# Altium PCB LOGI-BONE.PcbDoc (part 2 of 4)
Units mil, origin at the board's own origin, x right, y up, seen from the top; angles counter-clockwise.
Board outline 3400 x 2252.63 mil, 4 copper layers (Top Layer, GND, VDD, Bottom Layer); 132 components, 150 nets, 640 pads, 358 vias.
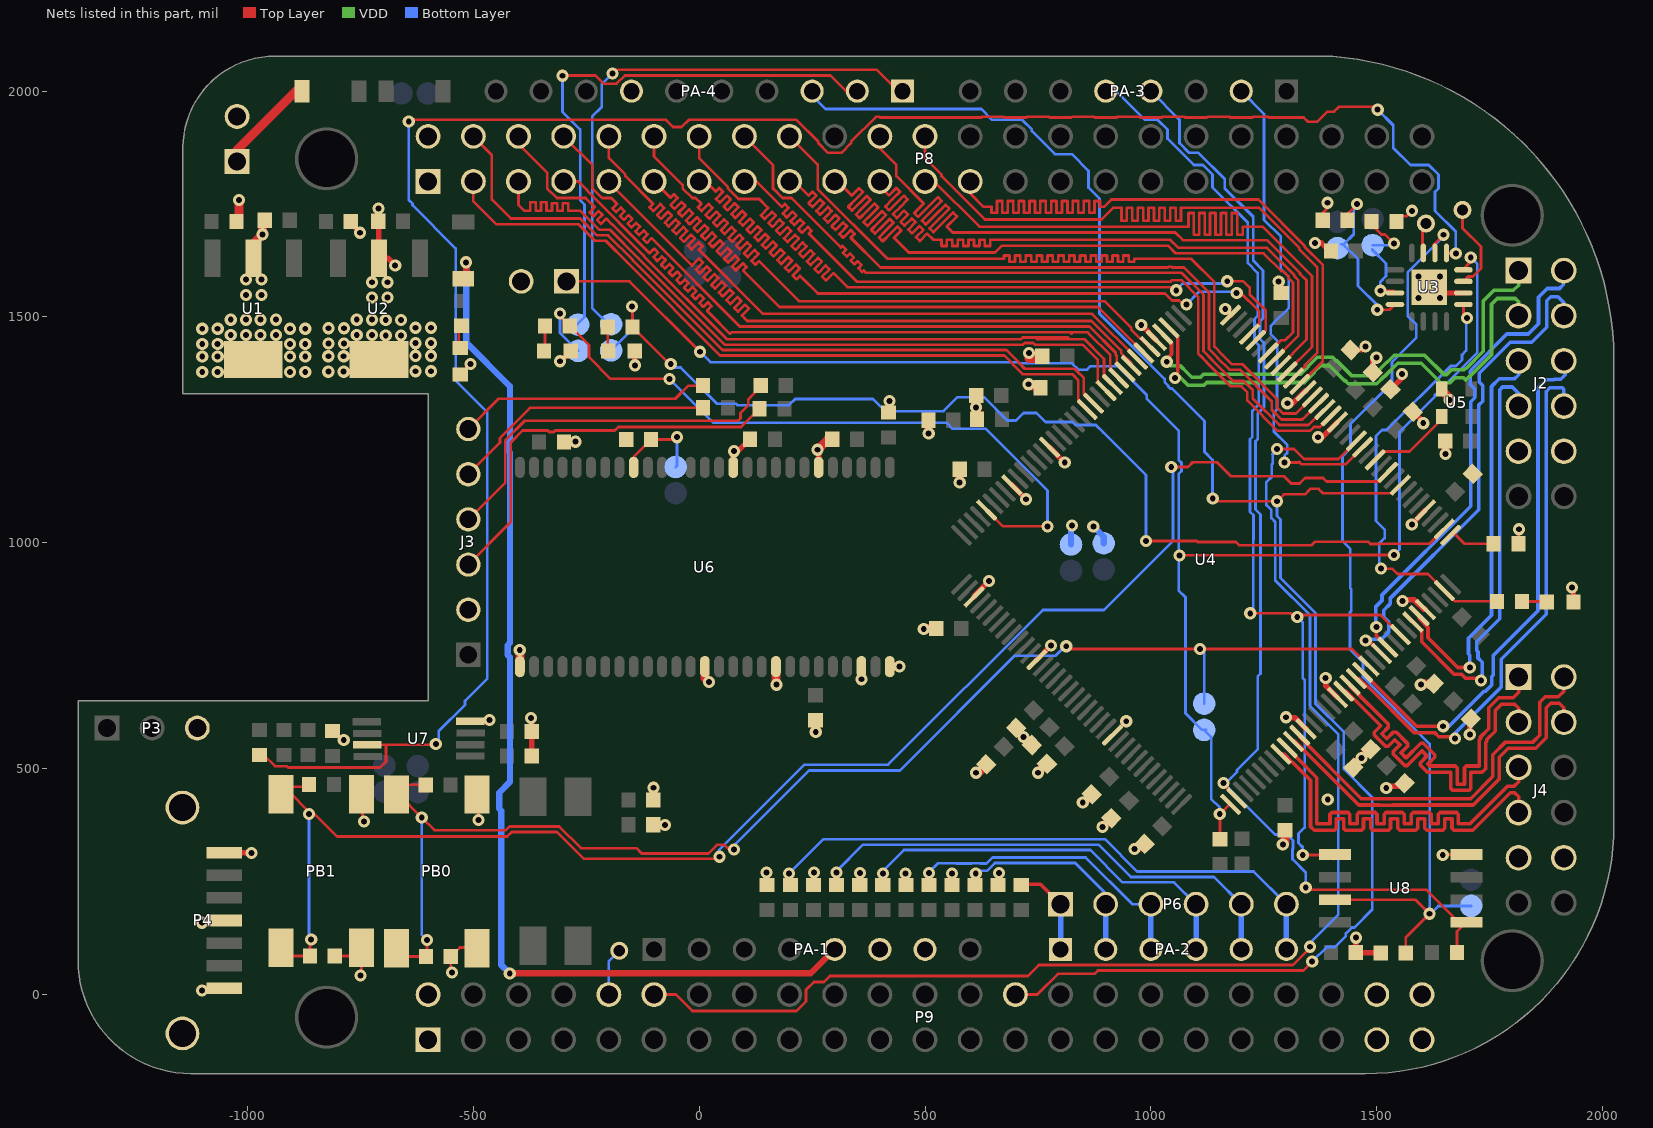
[diagram p4: the nets of this part, all layers, seen from the top]

## Via types
v1: diameter 27, hole 13, Top Layer to Bottom Layer, tented both sides, 194 vias
v2: diameter 27, hole 13, Top Layer to Bottom Layer, 158 vias
v3: diameter 25.98, hole 12.99, Top Layer to Bottom Layer, tented both sides, 4 vias
v4: diameter 27, hole 15, Top Layer to Bottom Layer, tented both sides, 2 vias

## Nets (pads, with @x,y where several pads share a name; then routed paths per layer and width w, separated by ;. In a path a pad name is that pad's centre, name@x,y a point inside that pad or via, vN(x,y) a via of type N, cw(c..) or ccw(c..) an arc to the next point about the centre after c; other vN are vias at no path point) (continued)
BB_SPI_SS: P9.28 PA-4.D3 U4.81 | length 3842.1
  Top Layer w6: P9.28@700,0 748.38,0 794.38,46 874.91,46 882.41,53.5 1337.5,53.5 v2(1357,73) ; v2(1137,1098) 1143,1092 v2(1279,1092) 1294.5,1107.5 1340.68,1107.5 1352.68,1119.5 1371.32,1119.5 1381.06,1109.76 1533.81,1109.76 U4.81@1552.23,1128.18
  Bottom Layer w6: PA-4.D3@240,2000 279.5,1960.5 624.5,1960.5 648.5,1936.5 715.12,1936.5 736.5,1915.12 736.5,1911.88 787.88,1860.5 825.06,1860.5 862,1823.56 862,1786.38 886,1762.38 886,1507.25 1030.5,1362.75 1030.5,1355.68 1039,1347.18 1039,1345.18 1042.68,1341.5 1046.83,1341.5 1118.5,1269.83 1118.5,1201.71 1136.5,1183.71 1136.5,1098.5 v2(1137,1098) ; v2(1279,1092) 1279,1059.67 1287,1051.67 1287,922.21 1364.4,844.81 1364.4,643.78 1427,581.18 1427,499.01 1490,436.01 1490,188.18 1450.32,148.5 1444.68,148.5 1431.5,135.32 1431.5,129.68 1407.32,105.5 1389.5,105.5 v2(1357,73)
CFG_DONE: R13.1 U3.5 U4.71 | length 986.1
  Top Layer w6: v2@1509.06,942.5 1534.5,942.5 1546,931 1613.01,931 U4.71@1649.67,894.34 1673.51,870.5 1765.94,870.5 R13.1@1766.44,870 ; U3.5@1691.79,1527.61 1691.79,1506.21 v2(1700,1498)
  Bottom Layer w6: v2(1509.06,943) 1505.5,946.56 1505.5,998.68 1517.5,1010.68 1517.5,1029.32 1498.5,1048.32 1498.5,1236.61 1511.68,1249.79 1521.99,1249.79 1663.7,1391.5 1675.32,1391.5 1688.5,1404.68 1688.5,1416.3 1698,1425.8 1698,1496 v2(1700,1498)
CFG_FLSH_RST: JP6.2 R29.1 U3.10 U8.7 | length 2174.9
  Top Layer w6: U8.7@1406.33,210 U8.7@1407.33,210 1586,210 v2(1617,179) 1564.09,126.09 R29.1@1564.09,92 ; U3.10@1626.8,1641.79 1626.8,1660.93 v1(1647.82,1681.96)
  Bottom Layer w6: v2@1617,177 1636.3,196.3 JP6.2@1709,196.3 ; v2(1617,179) 1617,555.12 1469.4,702.72 1469.4,735.08 1440.89,763.59 1440.89,846.16 1443.5,848.77 1443.5,897.23 1441.5,899.23 1441.5,986.14 1424,1003.64 1424,1191.67 1442,1209.67 1442,1263 1533.5,1354.5 1533.5,1400.71 1587.5,1454.71 1587.5,1483.29 1568.39,1502.4 1568.39,1598.73 1647.82,1678.16 v1(1647.82,1681.96)
EE_WP: R20.1 U3.9 U7.7 | length 4692.2
  Top Layer w6: R20.1@-969,530.5 -964.21,530.5 -939.46,505.75 -913.75,505.75 -910.5,502.5 -706.4,502.5 -693.5,515.4 -693.5,552.5 -693,553 ; U7.7@-735,553 -693,553 ; v2(-643,1933) -639.5,1936.5 -73.7,1936.5 -57.7,1920.5 -39.06,1920.5 -23.06,1936.5 215.12,1936.5 263.5,1888.12 263.5,1884.88 284.88,1863.5 315.12,1863.5 336.5,1884.88 336.5,1888.12 391.38,1943 399.33,1943 400.83,1941.5 624.23,1941.5 625.73,1943 674.27,1943 675.77,1941.5 724.23,1941.5 725.73,1943 774.27,1943 775.77,1941.5 824.23,1941.5 825.73,1943 874.27,1943 875.77,1941.5 924.23,1941.5 925.73,1943 974.27,1943 975.77,1941.5 1024.23,1941.5 1025.73,1943 1074.27,1943 1075.77,1941.5 1124.23,1941.5 1125.73,1943 1174.27,1943 1175.77,1941.5 1224.23,1941.5 1225.73,1943 1259.33,1943 1260.83,1941.5 1338.18,1941.5 1347.18,1932.5 1368.47,1932.5 1390.47,1954.5 1405.32,1954.5 1416.32,1965.5 1495.5,1965.5 v1(1502,1959) ; v1(-583,555) -581,553 -693,553 ; U3.9@1652.39,1641.79 U3.9@1654.39,1641.79 1673.59,1641.79 v1(1675,1640.38)
  Bottom Layer w6: v2(-643,1933) -643,1759.28 -634.5,1750.78 -634.5,1747.5 -539,1652 -539,1359 -469,1289 -469,699.82 -518.5,650.32 -518.5,641.32 -576.5,583.32 -576.5,553.5 -579,551 v1(-583,555) ; v1(1502,1959) 1536.5,1924.5 1536.5,1874.5 1574.5,1836.5 1615.12,1836.5 1636.5,1815.12 1636.5,1784.88 1628.7,1777.08 1628.7,1735 1675,1688.7 v1(1675,1640.38)
FLSH_CS_ARD: PA-3.C4 R30.1 U4.38 U8.1 | length 2533.2
  Top Layer w6: v2(1160.82,468.5) 1160.82,464.5 U4.38@1190.33,435 ; v2(1342.7,237) 1347.7,232 1610.43,232 1682.43,160 1697.67,160 1677.56,139.89 R30.1@1677.56,93
  Bottom Layer w6: PA-3.C4@1000,2000 1063.5,1936.5 1063.5,1884.88 1084.88,1863.5 1105.09,1863.5 1163.5,1805.09 1163.5,1784.88 1226.5,1721.88 1226.5,1624.65 1248.32,1602.83 1248.32,1564.56 1248.32,1497.26 1241.5,1490.45 1241.5,1451.74 1250.5,1442.74 1250.5,1300.77 1236.5,1286.77 1236.5,1229.77 1231.5,1224.77 1231.5,1073.74 1242.5,1062.74 1242.5,710.47 1236.35,704.32 1236.35,542.85 1190.5,497 1190.5,492.68 1166.32,468.5 v2(1160.82,468.5) 1274.82,354.5 1301.32,354.5 1314.5,341.32 1314.5,322.68 1313.63,321.81 1313.63,299.68 1342.7,270.61 v2(1342.7,237)
FLSH_MOSI_ARD: PA-3.C5 U4.64 U8.5 | length 2325
  Top Layer w6: v1(1220,844) 1309,844 1312.5,840.5 1508.63,840.5 U4.64@1552.23,796.9 ; v2(1336.13,309) 1395.43,309 U8.5@1404.33,300.1
  Bottom Layer w6: PA-3.C5@900,2000 923.18,2000 986.68,1936.5 1015.12,1936.5 1036.5,1915.12 1036.5,1894.91 1094.91,1836.5 1115.12,1836.5 1136.5,1815.12 1136.5,1786.68 1214.5,1708.68 1214.5,1619.68 1236.32,1597.86 1236.32,1559.59 1236.32,1502.23 1229.5,1495.42 1229.5,1446.77 1238.5,1437.77 1238.5,1305.74 1224.5,1291.74 1224.5,1234.74 1219.5,1229.74 1219.5,1068.77 1227,1061.27 1227,1008.18 1226.5,1007.68 1226.5,850.5 v1(1220,844) ; v1(1324,836) 1336.13,823.87 1336.13,701.07 1340.4,696.8 1340.4,370.09 1326.5,356.19 1326.5,335.81 1336.13,326.18 v2(1336.13,309)
FPGA_RST/CFG_PROGB: JP5.2 P2.1 R27.1 U3.8 U4.37 | length 3741.4
  Top Layer w6: P2.1@-294,1579 -154,1579 v2(2,1423) ; v2(1063.5,972) 1064,972.5 1436,972.5 1436.5,973 v2(1538.31,973) ; R27.1@1153,344.06 1153,399.47 v2(1152.47,400) 1173.54,421.08 U4.37@1176.41,421.08 ; U3.8@1689.79,1604.39 1708,1622.6 v1(1708,1631.43)
  Bottom Layer w6: v2(2,1423) 25,1400 707.15,1400 709.65,1397.5 825.68,1397.5 839.68,1383.5 858.32,1383.5 866.08,1391.26 926.53,1391.26 991,1326.79 991,1318.82 1007.5,1302.32 1007.68,1302.32 1061.5,1248.5 1061.5,1183.32 1067.5,1177.32 1067.5,1158.68 1061.5,1152.68 1061.5,894.68 1076.56,879.63 1076.56,622.81 1113.36,586 JP5.2@1118,586 ; JP5.2@1122.65,586 JP5.2@1118,586 ; v2(1152.47,400) 1152.47,414.03 1133.5,433 1133.5,570.5 JP5.2@1118,586 ; v2(1538.31,973) 1550.5,985.19 1550.5,1245.8 1628.5,1323.8 1628.5,1327.71 1722.5,1421.71 1722.5,1616.93 v1(1708,1631.43)
GND: C1.2 C2.2 C3.2 C4.2 C5.2 C6.2 C7.2 C8.2 C9.2 C10.2 C11.2 C12.2 C13.2 C14.2 C15.2 C16.2 C17.2 C18.2 C19.2 C20.2 C21.2 C22.2 C23.2 C24.2 C25.2 C26.2 C27.2 C28.2 C29.2 C30.2 C31.2 C32.2 C33.2 C34.2 C35.2 C36.2 C37.2 C38.2 C39.2 C40.2 C41.2 D4.C DC1.C DC2.C DC3.C J1.2 J2.5 J2.11 J3.2 J4.5 J4.11 JP3.2 JP4.2 P2.2 P3.3 P4.1 P4.4 P4.7 P8.1 P8.2 P9.1 P9.2 P9.43 P9.44 P9.45 P9.46 PA-1.A6 PA-1.A7 PA-4.D7 PB0.A PB1.A R1.2 R3.2 R4.1 R5.1 R12.1 R25.1 R28.1 R29.2 R31.1 R35.1 R36.1 R37.1 R41.1 R42.1 R43.1 U1.2 U1.4 U2.2 U2.4 U3.6 U4.3 U4.13 U4.25 U4.49 U4.54 U4.68 U4.77 U4.91 U4.96 U4.108 U4.113 U4.130 U4.136 U5.2 U6.6 U6.12 U6.28 U6.41 U6.46 U6.52 U6.54 U7.4 U8.4 | length 3805.7
  Top Layer w6: C30.2@-812,583.56 -791.69,563.25 v1(-786.75,563.25) ; C40.2@-806.59,85.32 -763.15,85.32 PB1.A@-747.4,101.07 ; v2(-750,42) -747.4,44.6 PB1.A@-747.4,101.07 ; PB1.A@-747.4,103.32 PB1.A@-747.4,101.07 ; PB1.A@-745.15,103.32 PB1.A@-747.4,101.07 ; PB1.A@-745.15,443.32 -745.15,385.32 v1@-742.15,382.32 ; PB1.A@-742.15,407.82 PB1.A@-742.15,408.82 ; v2(-547,49) -549.84,51.84 C41.2@-549.84,84.38 -529.84,104.38 PB0.A@-488.4,104.38 ; DC1.C@-533,1372.47 -530.53,1372.47 -506,1397 v2(-506,1396) ; PB0.A@-488.4,444.38 v1(-488.4,386.38) -486.4,384.38 v1@-486.4,387.38 ; R28.1@-101.55,376 -76.01,376 v2(-75.36,375.35) ; R25.1@-101.55,431 -101.55,457.54 v2(-101.09,458) ; v2(149,270) 150,269 R41.1@150,242.56 ; R42.1@253.18,242.56 253.18,269.18 v2(254,270) ; R43.1@355.36,242.56 355.36,268.36 v2(356,269) ; v2(457,268) 457.55,267.45 R35.1@457.55,242.56 ; R36.1@559.73,242.56 v2(559.73,268) ; R37.1@661.91,242.56 661.91,267.09 v2(663.82,269) ; U4.25@914.72,574.19 v1(945.5,604.96) v1@948.12,604.96 ; R3.2@1368.44,1722 1372.19,1722 1391,1740.81 v1(1391,1753) ; R1.2@1544.56,1723 1566,1723 v1(1578,1735) ; v2(1646,309) 1647,310 U8.4@1697.67,310 ; R12.1@1813.75,998 1813.75,1028.75 v1(1815,1030)
  Top Layer w12: v2(-1100.37,9) -1095.37,14 P4.1@-1051,14 ; v2(-1100.37,159) -1095.37,164 P4.4@-1051,164 ; P4.7@-1051,314 -991.23,314 v2(-990.9,313.67) ; C3.2@-771.22,1711.56 -771.22,1706.77 v2(-751,1686.55) ; v2(-710,1739.9) -710.56,1739.34 C4.2@-710.56,1712.07 -709,1710.51 U2.2@-709,1630.27 -689.19,1630.27 v2(-673.06,1614.14) ; U7.4@-507,605 -467,605 v1(-464,608) ; v2(-372,612) -370.44,610.44 R4.1@-370.44,582 R5.1@-370.44,528 ; v2(-308,1402) -307.47,1402 DC3.C@-284.47,1425 ; DC2.C@-142.47,1425 -142.47,1393.47 v2(-142,1393) ; U6.12@75.46,1167.02 v1@75.46,1201.26 ; v1(77.2,1203) 86,1203 C18.2@112.44,1229.44 ; v1(262,1206) 264.44,1203.56 U6.6@264.44,1167.02 ; C14.2@419,1288.56 419,1317.55 421,1319.55 v1(421,1314) ; U4.3@608.5,880.42 608.5,882.9 641.6,916 642,916 641.69,915.69 v1(641.69,915.5) ; U4.136@692.01,1128.18 723.63,1096.55 U4.136@692.01,1128.18 ; v1(728.91,1351) 736.54,1343.37 C11.2@755.63,1343.37 ; U4.13@747.69,741.22 v1(779.02,772.55) ; U4.130@775.53,1211.7 v1(809.2,1178.03) v1@809.2,1173 ; v1@843.63,421.08 v1@850.28,427.72 ; v1@887,376 v1@887.5,376.5 ; v1@895,373 v1@899,377 ; C36.2@913.01,390.01 C36.2@915.51,392.51 ; C36.2@913.88,389.14 C36.2@919.15,394.41 ; v1(978.71,1482) 978.71,1481.78 U4.113@1012.16,1448.33 ; v1(1164.63,1517.55) 1176.41,1505.77 U4.108@1176.41,1504.01 ; v2(1282.82,1578.86) 1288.63,1573.04 C6.2@1288.63,1553.11 ; v2(1299,614) 1300.14,612.86 1318.69,612.86 U4.49@1343.44,588.11 ; v1(1302,1309) 1300,1309 1300,1311 1305.45,1305.55 1310.54,1305.55 1341.97,1336.97 U4.96@1343.44,1336.98 ; v1(1363,1664) 1377.06,1664 C5.2@1398.44,1642.62 ; v1(1370,1233.83) 1379.49,1233.83 U4.91@1413.04,1267.38 ; v2(1386.9,700.91) 1386.9,683.84 U4.54@1413.04,657.71 ; C7.2@1442.49,1426.98 1466.98,1426.98 v2(1475,1435) ; v2(1454,126) 1453.56,125.56 C39.2@1453.56,93 1507.97,93 R29.2@1508.97,92 ; C9.2@1491.49,1377.49 1491.49,1402.49 v1(1499,1410) ; C9.2@1495.98,1373.49 C9.2@1495.98,1374.98 ; v2(1521,457) 1525,461 1554.65,461 C34.2@1561.49,467.83 ; C10.2@1530.38,1339.65 1556,1365.26 v2(1556,1374) ; v1(1557,871) 1560,874 1582.58,874 1604,852.58 U4.68@1607.91,852.58 ; C13.2@1579.88,1290.15 1603,1267.03 v2(1603,1265) ; v1@1580.63,1040.55 v1(1577.63,1040.55) 1577.63,1042.23 U4.77@1607.91,1072.51 ; U3.6@1614,1566 1626.8,1553.2 U3.6@1689.79,1553.2 ; v2(1706,576) 1706,607.89 C26.2@1708.49,610.38 ; v1(1932,901) 1932,898.68 1935.53,895.15 D4.C@1935.53,869
  Top Layer w14: C31.2@1446.49,504.51 1449.61,507.63 C31.2@1449.61,505.06 ; C9.2@1495.03,1375 C9.2@1495.94,1374.09
  Top Layer w20: v2(-1019,1759) -1018.44,1758.44 C2.2@-1018.44,1721 ; U1.2@-987,1630.27 -987,1662.59 v2(-966.56,1683.03) C1.2@-966.56,1712.61 ; v1(-397.37,762.7) -396.98,762.31 U6.28@-396.98,726.08 ; C20.2@-299.44,1223 -271,1223 -270,1224 v1(-274,1224) ; U6.41@13,714 13,701 v1(22,692) ; U6.46@169.95,726.08 169.95,687.09 v1(171,686.04) ; C25.2@257.81,607.44 257.81,580.19 258,580 v1(258,581) ; v1(262,1206) 285.44,1229.44 C17.2@300.44,1229.44 ; U6.52@358.93,726.08 358.93,696.25 359.42,695.76 v1(359.42,698.11) ; U6.54@421.92,726.08 443.22,726.08 v1(443.3,726) ; v1(497,809) 498,810 C23.2@525.47,810 ; C16.2@507.44,1271.55 507.44,1242.56 v1(508,1242) ; v2(576.64,1133.64) C21.2@576.64,1163 ; v1(613,1300) 615.19,1297.81 C15.2@615.19,1273.55 ; v1@614.44,488 C33.2@635.79,509.35 ; C27.2@699,591 699,590.02 v1@719.02,570 ; v1(718,570) v1@719.02,570 ; v1(730,1420) 730,1408 754.44,1408 C8.2@759.44,1413 ; C29.2@736.51,552.51 v1@719.02,570 ; C29.2@736.63,546.92 C29.2@740.12,546.92 ; v1(750,491) 769.73,510.73 C32.2@769.96,510.73 ; v1@851,427 852.8,427 C35.2@869.15,443.35 ; v1(893,371) 891,373 895,373 C36.2@912.51,390.51 ; v2(964,322) 969.06,327.06 C38.2@989.15,327.06 ; v1(1292,332) 1292.62,332 1297,336.38 C37.2@1297,363.82 ; C31.2@1449.61,507.63 v1(1466,524) ; v1(1466,524) C28.2@1484,542 ; C28.2@1484,545 C28.2@1484,542 ; C28.2@1484.61,544.06 1484.61,542.61 C28.2@1484,542 ; v1@1595,688 1595.06,688.06 C24.2@1626.61,688.06 ; U5.2@1644.04,1341.04 1644.04,1337.54 1661.54,1320.04 v2(1661.54,1316.01) ; C19.2@1651.44,1225.62 1651.85,1225.21 v2(1651.85,1196.56)
  Bottom Layer w14: JP4.2@823,996.28 823,1036.49 v1(825.06,1038.55) ; v1(872.5,1036.49) 895.5,1013.49 JP3.2@895.5,999.11
  other v1: -742.15,383.32 849,425 613,491 1597.5,686.04 723.63,1096.56 -1100,1378.5 -1066,1378.5 -906,1378.5 -872,1378.5 -821,1379 -787,1379 -628,1380 -594,1380 -1100,1412.5 -1066,1412.5 -906,1412.5 -872,1412.5 -821,1413 -787,1413 -628,1414 -594,1414 -1100,1440 -1066,1440 -906,1440 -872,1440 -820.59,1441.07 -786.59,1441.07 -628,1442.07 -594,1442.07 -694,1459.07 -660,1459.07 -1037,1460.07 -1003,1460.07 -971,1460.07 -937,1460.07 -758,1460.07 -724,1460.07 -1100,1474 -1066,1474 -906,1474 -872,1474 -820.59,1475.07 -786.59,1475.07 -628,1476.07 -594,1476.07 -694,1493.07 -660,1493.07 -1037,1494.07 -1003,1494.07 -971,1494.07 -937,1494.07 -758,1494.07 -724,1494.07 -724,1543 -690,1543 -1003,1548.87 -969,1548.87 -724,1577 -690,1577 -1003,1582.87 -969,1582.87
  other v2: 1391.5,431.97
  other v3: 1592.38,1542.38 1639.62,1542.38 1592.38,1589.62 1639.62,1589.62
GPMC_AD0: P8.25 U4.97 | length 1693.3
  Top Layer w6: P8.25@600,1800 600,1773 629.18,1743.82 647.18,1743.82 647.18,1730.82 659.18,1730.82 659.18,1756.82 671.18,1756.82 671.18,1730.82 683.18,1730.82 683.18,1756.82 695.18,1756.82 695.18,1730.82 707.18,1730.82 707.18,1756.82 719.18,1756.82 719.18,1730.82 731.18,1730.82 731.18,1756.82 743.18,1756.82 743.18,1730.82 755.18,1730.82 755.18,1756.82 767.18,1756.82 767.18,1730.82 779.18,1730.82 779.18,1756.82 791.18,1756.82 791.18,1730.82 803.18,1730.82 803.18,1756.82 815.18,1756.82 815.18,1730.82 827.18,1730.82 827.18,1756.82 839.18,1756.82 839.18,1730.82 851.18,1730.82 851.18,1756.82 863.18,1756.82 863.18,1730.82 875.18,1730.82 875.18,1756.82 887.18,1756.82 887.18,1743.82 896,1743.82 912.45,1760.27 1237.73,1760.27 1340.5,1657.5 1340.5,1654.68 1380.5,1614.68 1380.5,1401.99 1329.52,1351.01 U4.97@1329.52,1350.89
GPMC_AD1: P8.24 U4.98 | length 1657
  Top Layer w6: P8.24@500,1900 500,1851.62 536.5,1815.12 536.5,1811.88 632.38,1716 890.72,1716 916.72,1742 934.72,1742 934.72,1713 946.72,1713 946.72,1742 958.72,1742 958.72,1713 970.72,1713 970.72,1742 982.72,1742 982.72,1713 994.72,1713 994.72,1742 1006.72,1742 1006.72,1713 1018.72,1713 1018.72,1742 1030.72,1742 1030.72,1713 1042.72,1713 1042.72,1742 1054.72,1742 1054.72,1713 1066.72,1713 1066.72,1742 1239.03,1742 1328.5,1652.53 1328.5,1649.71 1368.5,1609.71 1368.5,1421.54 1340.93,1393.97 1340.93,1390.15 U4.98@1315.6,1364.81
GPMC_AD2: P8.5 U4.121 | length 1696.1
  Top Layer w6: P8.5@-400,1800 -400,1747.9 -387.44,1735.34 -381,1735.34 -374,1735.34 -374,1754.34 -362,1754.34 -362,1735.34 -350,1735.34 -350,1754.34 -338,1754.34 -338,1735.34 -326,1735.34 -326,1751.5 -314,1751.5 -314,1735.34 -302,1735.34 -302,1751.5 -290,1751.5 -290,1735.34 -278,1735.34 -272,1735.34 -263.64,1735.34 -221.16,1692.86 -196.92,1692.86 -135,1630.94 -135,1630.13 56.39,1438.73 716.91,1438.73 720.68,1442.5 739.32,1442.5 743.09,1438.73 848.09,1438.73 882.38,1404.44 882.38,1355.4 U4.121@900.8,1336.98
GPMC_AD3: P8.6 U4.120 | length 1770.1
  Top Layer w6: P8.6@-400,1900 -400,1883 -336.5,1819.5 -336.5,1784.88 -315.12,1763.5 -251.4,1763.5 -231.18,1743.27 -242.89,1731.56 -234.4,1723.08 -222.69,1734.79 -214.2,1726.3 -225.91,1714.59 -217.43,1706.11 -205.72,1717.82 -192.77,1704.86 -191.95,1704.86 -123,1635.91 -123,1635.1 61.36,1450.73 711.94,1450.73 715.71,1454.5 ; 819.65,1450.73 815.88,1454.5 715.71,1454.5 ; U4.120@914.72,1350.9 914.72,1351.28 896.3,1369.7 896.3,1407.49 853.06,1450.73 748.06,1450.73 744.29,1454.5 715.71,1454.5
GPMC_AD4: P8.23 U4.99 | length 1658
  Top Layer w6: P8.23@500,1800 520.24,1800 620.24,1700 1083,1700 1083,1730 1095,1730 1095,1682 1107,1682 1107,1730 1119,1730 1119,1682 1131,1682 1131,1730 1143,1730 1143,1682 1155,1682 1155,1730 1167,1730 1167,1682 1179,1682 1179,1730 1191,1730 1191,1682 1203,1682 1203,1700 1247.33,1700 1356.5,1590.83 1356.5,1433.5 U4.99@1301.68,1378.73 U4.99@1301.68,1378.73
GPMC_AD5: P8.22 U4.100 | length 1689.9
  Top Layer w6: P8.22@400,1900 400,1873 436.5,1836.5 436.5,1811.88 497.17,1751.21 476.13,1730.17 484.61,1721.69 528.28,1765.35 536.77,1756.87 493.1,1713.2 501.58,1704.72 522.62,1725.76 545.25,1748.38 553.74,1739.9 531.11,1717.27 510.07,1696.23 518.55,1687.75 562.22,1731.41 570.71,1722.93 548.08,1700.3 561.38,1687 1053.92,1687 1070.92,1670 1257.43,1670 1330.07,1597.36 1330.07,1594.5 ; U4.100@1287.76,1392.65 1314.45,1419.34 1314.45,1420.45 1344.5,1450.5 1344.5,1581.32 1331.32,1594.5
GPMC_AD6: P8.3 U4.124 | length 1621.3
  Top Layer w6: P8.3@-500,1800 -500,1756.15 -449.35,1705.5 -267.73,1705.5 -231.1,1668.86 -206.86,1668.86 -159,1621 -159,1620.19 46.45,1414.73 675.48,1414.73 695.5,1394.71 695.5,1393.71 715.71,1373.5 825.82,1373.5 839.46,1359.86 839.46,1314.8 U4.124@859.05,1295.22
GPMC_AD7: P8.4 U4.123 | length 1697.2
  Top Layer w6: P8.4@-500,1900 -500,1899.07 -459,1858.07 -459,1760 -417,1718 -263.26,1718 -226.13,1680.86 -201.89,1680.86 -147,1625.97 -147,1625.16 51.42,1426.73 680.45,1426.73 707.5,1399.68 707.5,1398.68 720.68,1385.5 831.4,1385.5 836.95,1379.95 836.95,1379.34 851.46,1364.83 851.46,1330.64 U4.123@872.96,1309.14
GPMC_AD8: P8.19 U4.102 | length 1811.3
  Top Layer w6: P8.19@300,1800 306.5,1800 337.74,1768.76 354.01,1785.02 362.49,1776.54 346.23,1760.27 329.96,1744.01 338.45,1735.52 370.98,1768.05 379.46,1759.56 363.2,1743.3 346.94,1727.04 355.42,1718.55 371.68,1734.82 387.95,1751.08 396.43,1742.59 380.17,1726.33 363.91,1710.07 372.39,1701.58 388.65,1717.85 404.92,1734.11 413.4,1725.62 397.14,1709.36 380.88,1693.1 389.36,1684.61 405.62,1700.88 421.89,1717.14 430.37,1708.65 414.11,1692.39 397.85,1676.13 406.33,1667.64 422.6,1683.9 438.86,1700.17 447.34,1691.68 431.08,1675.42 463.88,1642.62 654.53,1642.62 669.91,1658 1038,1658 1055,1641 1249.63,1641 1289.28,1601.36 1292.14,1601.36 1305.32,1588.17 1305.32,1585.32 1314.37,1576.27 1314.37,1465.55 1297.32,1448.5 1287.93,1448.5 U4.102@1259.92,1420.49
GPMC_AD9: P8.13 U4.105 | length 1972.7
  Top Layer w6: P8.13@0,1800 14.56,1800 36.64,1777.92 44.41,1785.7 52.9,1777.21 37.34,1761.66 45.83,1753.17 61.39,1768.73 69.87,1760.24 54.31,1744.69 62.8,1736.2 70.58,1743.98 78.36,1751.76 86.84,1743.27 79.06,1735.49 71.28,1727.72 79.77,1719.23 87.55,1727.01 95.33,1734.79 103.81,1726.3 88.26,1710.74 96.74,1702.26 112.3,1717.82 120.78,1709.33 113,1701.55 105.23,1693.77 113.71,1685.29 121.49,1693.07 129.27,1700.85 137.75,1692.36 129.97,1684.58 122.2,1676.8 130.68,1668.32 146.24,1683.87 154.72,1675.39 139.17,1659.83 147.65,1651.35 163.21,1666.9 171.69,1658.42 163.92,1650.64 156.14,1642.86 164.62,1634.38 172.4,1642.16 180.18,1649.93 188.66,1641.45 173.11,1625.89 181.59,1617.41 197.15,1632.96 205.64,1624.48 190.08,1608.92 198.56,1600.44 206.34,1608.21 214.12,1615.99 222.61,1607.51 214.83,1599.73 207.05,1591.95 215.53,1583.47 223.31,1591.24 262.56,1552 ; 229.28,1585.28 262.56,1552 ; v2(1079,1528) 1071,1528 1062.65,1536.35 1046.83,1536.35 1031.18,1552 262.56,1552 ; v2(1189.82,1553.15) 1193.27,1553.15 1196,1555.88 1240,1511.88 1240,1485.68 U4.105@1227,1472.68
  Bottom Layer w6: v2(1079,1528) 1106.88,1555.88 1196,1555.88 1193.27,1553.15 v2(1189.82,1553.15)
GPMC_AD10: P8.14 U4.104 | length 1974.6
  Top Layer w6: P8.14@0,1900 0,1851.62 63.5,1788.12 63.5,1784.88 87.38,1761 133,1761 152.73,1741.27 136.46,1725.01 144.95,1716.52 161.21,1732.79 169.7,1724.3 153.44,1708.04 161.92,1699.55 178.18,1715.82 186.67,1707.33 170.41,1691.07 178.89,1682.58 195.15,1698.85 203.64,1690.36 187.38,1674.1 195.86,1665.61 212.12,1681.88 220.61,1673.39 204.35,1657.13 212.83,1648.64 229.1,1664.9 237.58,1656.42 221.32,1640.16 229.8,1631.67 246.07,1647.93 254.55,1639.45 238.29,1623.19 246.77,1614.7 263.04,1630.96 271.52,1622.48 255.26,1606.21 263.74,1597.73 280.01,1613.99 288.49,1605.51 272.23,1589.24 280.71,1580.76 296.98,1597.02 328,1566 1042.83,1566 1056,1552.83 v2(1056,1559) ; v2(1169,1579) 1204.7,1579 1218.5,1565.2 1218.5,1550.35 1254.35,1514.5 1254.35,1487.59 1253.93,1487.17 1253.93,1470.17 U4.104@1232.09,1448.33
  Bottom Layer w6: v2@1056,1552.83 1056,1560.4 1069.84,1574.24 1164.24,1574.24 v2(1169,1579)
GPMC_AD11: P8.17 U4.94 | length 1754.1
  Top Layer w6: P8.17@200,1800 211.01,1800 242.25,1768.76 250.73,1777.25 259.22,1768.76 242.25,1751.79 250.73,1743.3 267.7,1760.28 276.19,1751.79 259.22,1734.82 267.7,1726.33 276.19,1734.82 284.67,1743.3 293.16,1734.82 284.67,1726.33 276.19,1717.85 284.67,1709.36 301.64,1726.33 310.13,1717.85 293.16,1700.88 301.64,1692.39 318.61,1709.36 327.1,1700.88 310.13,1683.91 318.61,1675.42 327.1,1683.91 335.58,1692.39 344.07,1683.91 335.58,1675.42 401.28,1609.73 1037.57,1609.73 1038.81,1610.97 1046.27,1610.97 1047.51,1609.73 1073.21,1609.73 1128.5,1554.44 1128.5,1429.26 1147.5,1410.26 1147.5,1409.71 1173.71,1383.5 1197.26,1383.5 1267.5,1313.26 1267.5,1294.71 1289.21,1273 1335,1273 1343.97,1281.97 1344.11,1281.97 U4.94@1371.28,1309.14